# KiCad board FCSat_dual.kicad_pcb (continued)
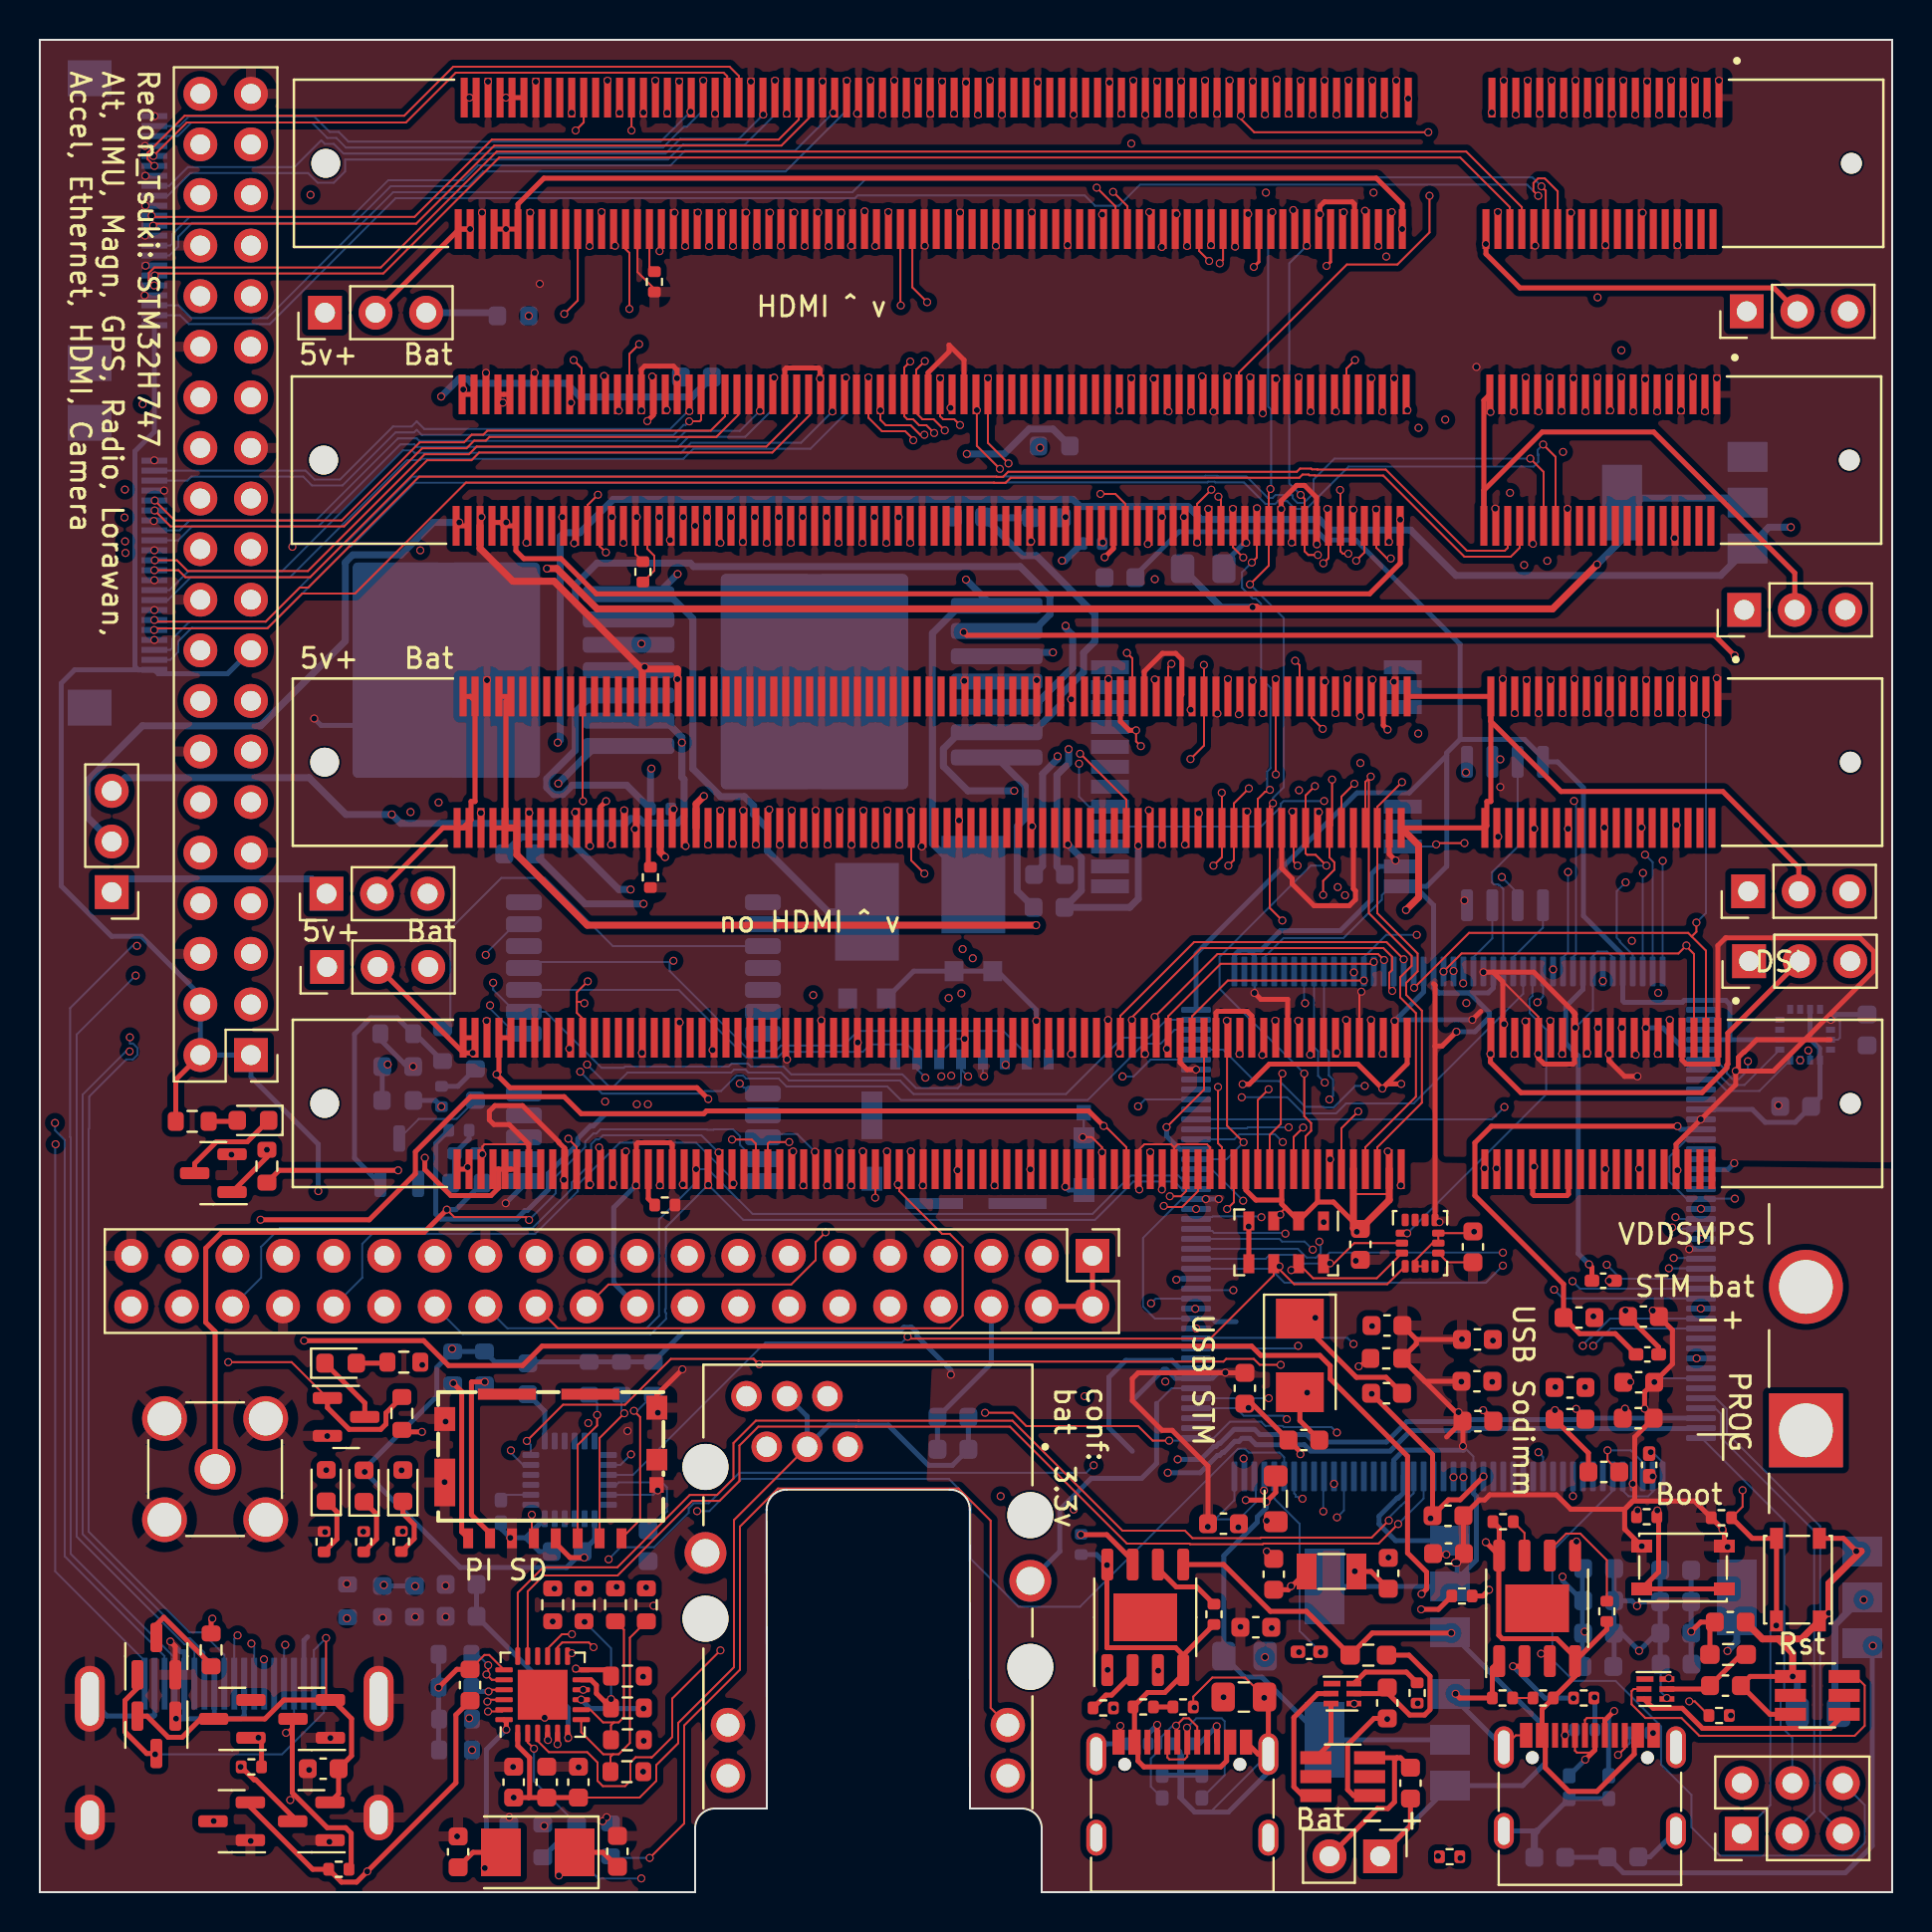
[diagram p0: board, top side]
## Footprints (pads in the part's own frame, mm; a bottom-side part is the same pattern mirrored in y, then rotated)
105162-0001 SD
  rect 0.5x1 smd: 1(3.55,-7.34) 2(2.45,-7.34) 3(1.35,-7.34) 4(0.25,-7.34) 5(-0.85,-7.34) 6(-1.95,-7.34) 7(-3.05,-7.34) 8(-4.15,-7.34)
  rect 0.72x0.78 smd: 9(5.31,-4.66)
  rect 1.05x1.08 smd: 10(5.325,-3.39)
  rect 1.05x1.2 smd: 11(5.325,-0.78) 12(-5.325,-1.35)
  rect 1.05x2.39 smd: 13(-5.325,-4.535)
  rect 2.91x0.55 smd: 14(1.986,-0.105) 15(-2.204,-0.105)
AMASS_XT60PW-M
  rect 3.716x3.716 hole 2.7: 1(3.6,-6)
  round 3.716 hole 2.7: 2(-3.6,-6)
C_0402_1005Metric_Pad0.74x0.62mm_HandSolder
  rrect 0.735x0.62 smd: 1(-0.568,0) 2(0.568,0)
C_0603_1608Metric
  rrect 0.9x0.95 smd: 1(-0.775,0) 2(0.775,0)
C_0805_2012Metric_Pad1.18x1.45mm_HandSolder
  rrect 1.175x1.45 smd: 1(-1.038,0) 2(1.038,0)
Crystal_SMD_3215-2Pin_3.2x1.5mm
  rect 1x1.8 smd: 1(1.25,0) 2(-1.25,0)
Crystal_SMD_5032-2Pin_5.0x3.2mm
  rect 2x2.4 smd: 1(-1.85,0) 2(1.85,0)
D_0402_1005Metric_Pad0.77x0.64mm_HandSolder
  rrect 0.765x0.64 smd: 1(-0.573,0) 2(0.573,0)
Ethernet
  round 2.31 hole 2.31 unplated: (-8.155,5.72) (-8.155,-1.9) (8.155,3.3) (8.155,-4.318)
  round 1.53 hole 1.02: 4(-1.016,6.73) 5(-3.048,6.73) 6(-5.08,6.73) 10(-2.032,9.27) 11(-4.064,9.27) 12(-6.096,9.27)
  round 1.725 hole 1.15: 13(7.025,-7.24) 14(7.025,-9.78) 15(-7.025,-7.24) 16(-7.025,-9.78)
  round 2.1 hole 1.4: S1(-8.155,1.4) S2(8.155,0)
HDMI_MOLEX_471510001
  rect 0.3x2.6 smd: 1(4.5,0) 2(4,0) 3(3.5,0) 4(3,0) 5(2.5,0) 6(2,0) 7(1.5,0) 8(1,0) 9(0.5,0) 10(0,0) 11(-0.5,0) 12(-1,0) 13(-1.5,0) 14(-2,0) 15(-2.5,0) 16(-3,0) 17(-3.5,0) 18(-4,0) 19(-4.5,0)
  oval 1.5x2.3 hole 0.9x1.7: SH(-7.25,-6.72) SH(7.25,-6.72)
  oval 1.5x3.3 hole 0.9x2.7: SH(-7.25,-0.76) SH(7.25,-0.76)
Hirose_FH12-22S-0.5SH_1x22-1MP_P0.50mm_Horizontal
  rect 0.3x1.3 smd: 1(5.25,1.85) 2(4.75,1.85) 3(4.25,1.85) 4(3.75,1.85) 5(3.25,1.85) 6(2.75,1.85) 7(2.25,1.85) 8(1.75,1.85) 9(1.25,1.85) 10(0.75,1.85) 11(0.25,1.85) 12(-0.25,1.85) 13(-0.75,1.85) 14(-1.25,1.85) 15(-1.75,1.85) 16(-2.25,1.85) 17(-2.75,1.85) 18(-3.25,1.85) 19(-3.75,1.85) 20(-4.25,1.85) 21(-4.75,1.85) 22(-5.25,1.85)
  rect 1.8x2.2 smd: MP(-7.15,-1.4) MP(7.15,-1.4)
HTSOP-8-1EP_3.9x4.9mm_P1.27mm_EP2.4x3.2mm
  rrect 0.97x1.29 smd: (-0.6,0.8) (-0.6,-0.8) (0.6,0.8) (0.6,-0.8)
  rrect 1.6x0.6 smd: 1(-2.65,1.905) 2(-2.65,0.635) 3(-2.65,-0.635) 4(-2.65,-1.905) 5(2.65,-1.905) 6(2.65,-0.635) 7(2.65,0.635) 8(2.65,1.905)
  rect 2.4x3.2 smd: 9(0,0)
HVQFN-24-1EP_4x4mm_P0.5mm_EP2.5x2.5mm
  rrect 1.01x1.01 smd: (-0.625,0.625) (-0.625,-0.625) (0.625,0.625) (0.625,-0.625)
  rrect 0.875x0.25 smd: 1(-1.938,1.25) 2(-1.938,0.75) 3(-1.938,0.25) 4(-1.938,-0.25) 5(-1.938,-0.75) 6(-1.938,-1.25) 13(1.938,-1.25) 14(1.938,-0.75) 15(1.938,-0.25) 16(1.938,0.25) 17(1.938,0.75) 18(1.938,1.25)
  rrect 0.25x0.875 smd: 7(-1.25,-1.938) 8(-0.75,-1.938) 9(-0.25,-1.938) 10(0.25,-1.938) 11(0.75,-1.938) 12(1.25,-1.938) 19(1.25,1.938) 20(0.75,1.938) 21(0.25,1.938) 22(-0.25,1.938) 23(-0.75,1.938) 24(-1.25,1.938)
  rect 2.5x2.5 smd: 25(0,0)
InvenSense_QFN-24_4x4mm_P0.5mm
  rrect 0.85x0.3 smd: 1(-1.95,1.25) 2(-1.95,0.75) 3(-1.95,0.25) 4(-1.95,-0.25) 5(-1.95,-0.75) 6(-1.95,-1.25) 13(1.95,-1.25) 14(1.95,-0.75) 15(1.95,-0.25) 16(1.95,0.25) 17(1.95,0.75) 18(1.95,1.25)
  rrect 0.3x0.85 smd: 7(-1.25,-1.95) 8(-0.75,-1.95) 9(-0.25,-1.95) 10(0.25,-1.95) 11(0.75,-1.95) 12(1.25,-1.95) 19(1.25,1.95) 20(0.75,1.95) 21(0.25,1.95) 22(-0.25,1.95) 23(-0.75,1.95) 24(-1.25,1.95)
L_0603_1608Metric
  rrect 0.875x0.95 smd: 1(-0.787,0) 2(0.787,0)
L_0805_2012Metric_Pad1.05x1.20mm_HandSolder
  rrect 1.05x1.2 smd: 1(-1.15,0) 2(1.15,0)
LED_0603_1608Metric
  rrect 0.875x0.95 smd: 1(-0.787,0) 2(0.787,0)
LGA-8_3x5mm_P1.25mm
  rect 0.95x0.55 smd: 1(-1.075,1.875) 2(-1.075,0.625) 3(-1.075,-0.625) 4(-1.075,-1.875) 5(1.075,-1.875) 6(1.075,-0.625) 7(1.075,0.625) 8(1.075,1.875)
LGA-14_3x2.5mm_P0.5mm_LayoutBorder3x4y
  rrect 0.625x0.35 smd: 1(-1.163,0.75) 2(-1.163,0.25) 3(-1.163,-0.25) 4(-1.163,-0.75) 8(1.163,-0.75) 9(1.163,-0.25) 10(1.163,0.25) 11(1.163,0.75)
  rrect 0.35x0.625 smd: 5(-0.5,-0.912) 6(0,-0.912) 7(0.5,-0.912) 12(0.5,0.912) 13(0,0.912) 14(-0.5,0.912)
LGA-16_3x3mm_P0.5mm
  rect 0.45x0.3 smd: 1(-1.275,0.75) 2(-1.275,0.25) 3(-1.275,-0.25) 4(-1.275,-0.75) 9(1.275,-0.75) 10(1.275,-0.25) 11(1.275,0.25) 12(1.275,0.75)
  rect 0.3x0.45 smd: 5(-0.75,-1.275) 6(-0.25,-1.275) 7(0.25,-1.275) 8(0.75,-1.275) 13(0.75,1.275) 14(0.25,1.275) 15(-0.25,1.275) 16(-0.75,1.275)
LQFP-176_24x24mm_P0.5mm
  rrect 1.5x0.3 smd: 1(-12.675,10.75) 2(-12.675,10.25) 3(-12.675,9.75) 4(-12.675,9.25) 5(-12.675,8.75) 6(-12.675,8.25) 7(-12.675,7.75) 8(-12.675,7.25) 9(-12.675,6.75) 10(-12.675,6.25) 11(-12.675,5.75) 12(-12.675,5.25) 13(-12.675,4.75) 14(-12.675,4.25) 15(-12.675,3.75) 16(-12.675,3.25) 17(-12.675,2.75) 18(-12.675,2.25) 19(-12.675,1.75) 20(-12.675,1.25) 21(-12.675,0.75) 22(-12.675,0.25) 23(-12.675,-0.25) 24(-12.675,-0.75) 25(-12.675,-1.25) 26(-12.675,-1.75) 27(-12.675,-2.25) 28(-12.675,-2.75) 29(-12.675,-3.25) 30(-12.675,-3.75) 31(-12.675,-4.25) 32(-12.675,-4.75) 33(-12.675,-5.25) 34(-12.675,-5.75) 35(-12.675,-6.25) 36(-12.675,-6.75) 37(-12.675,-7.25) 38(-12.675,-7.75) 39(-12.675,-8.25) 40(-12.675,-8.75) 41(-12.675,-9.25) 42(-12.675,-9.75) 43(-12.675,-10.25) 44(-12.675,-10.75) 89(12.675,-10.75) 90(12.675,-10.25) 91(12.675,-9.75) 92(12.675,-9.25) 93(12.675,-8.75) 94(12.675,-8.25) 95(12.675,-7.75) 96(12.675,-7.25) 97(12.675,-6.75) 98(12.675,-6.25) 99(12.675,-5.75) 100(12.675,-5.25) 101(12.675,-4.75) 102(12.675,-4.25) 103(12.675,-3.75) 104(12.675,-3.25) 105(12.675,-2.75) 106(12.675,-2.25) 107(12.675,-1.75) 108(12.675,-1.25) 109(12.675,-0.75) 110(12.675,-0.25) 111(12.675,0.25) 112(12.675,0.75) 113(12.675,1.25) 114(12.675,1.75) 115(12.675,2.25) 116(12.675,2.75) 117(12.675,3.25) 118(12.675,3.75) 119(12.675,4.25) 120(12.675,4.75) 121(12.675,5.25) 122(12.675,5.75) 123(12.675,6.25) 124(12.675,6.75) 125(12.675,7.25) 126(12.675,7.75) 127(12.675,8.25) 128(12.675,8.75) 129(12.675,9.25) 130(12.675,9.75) 131(12.675,10.25) 132(12.675,10.75)
  rrect 0.3x1.5 smd: 45(-10.75,-12.675) 46(-10.25,-12.675) 47(-9.75,-12.675) 48(-9.25,-12.675) 49(-8.75,-12.675) 50(-8.25,-12.675) 51(-7.75,-12.675) 52(-7.25,-12.675) 53(-6.75,-12.675) 54(-6.25,-12.675) 55(-5.75,-12.675) 56(-5.25,-12.675) 57(-4.75,-12.675) 58(-4.25,-12.675) 59(-3.75,-12.675) 60(-3.25,-12.675) 61(-2.75,-12.675) 62(-2.25,-12.675) 63(-1.75,-12.675) 64(-1.25,-12.675) 65(-0.75,-12.675) 66(-0.25,-12.675) 67(0.25,-12.675) 68(0.75,-12.675) 69(1.25,-12.675) 70(1.75,-12.675) 71(2.25,-12.675) 72(2.75,-12.675) 73(3.25,-12.675) 74(3.75,-12.675) 75(4.25,-12.675) 76(4.75,-12.675) 77(5.25,-12.675) 78(5.75,-12.675) 79(6.25,-12.675) 80(6.75,-12.675) 81(7.25,-12.675) 82(7.75,-12.675) 83(8.25,-12.675) 84(8.75,-12.675) 85(9.25,-12.675) 86(9.75,-12.675) 87(10.25,-12.675) 88(10.75,-12.675) 133(10.75,12.675) 134(10.25,12.675) 135(9.75,12.675) 136(9.25,12.675) 137(8.75,12.675) 138(8.25,12.675) 139(7.75,12.675) 140(7.25,12.675) 141(6.75,12.675) 142(6.25,12.675) 143(5.75,12.675) 144(5.25,12.675) 145(4.75,12.675) 146(4.25,12.675) 147(3.75,12.675) 148(3.25,12.675) 149(2.75,12.675) 150(2.25,12.675) 151(1.75,12.675) 152(1.25,12.675) 153(0.75,12.675) 154(0.25,12.675) 155(-0.25,12.675) 156(-0.75,12.675) 157(-1.25,12.675) 158(-1.75,12.675) 159(-2.25,12.675) 160(-2.75,12.675) 161(-3.25,12.675) 162(-3.75,12.675) 163(-4.25,12.675) 164(-4.75,12.675) 165(-5.25,12.675) 166(-5.75,12.675) 167(-6.25,12.675) 168(-6.75,12.675) 169(-7.25,12.675) 170(-7.75,12.675) 171(-8.25,12.675) 172(-8.75,12.675) 173(-9.25,12.675) 174(-9.75,12.675) 175(-10.25,12.675) 176(-10.75,12.675)
PinHeader_1x02_P2.54mm_Vertical
  rect 1.7x1.7 hole 1: 1(0,0)
  oval 1.7x1.7 hole 1: 2(0,-2.54)
PinHeader_1x03_P2.54mm_Vertical
  rect 1.7x1.7 hole 1: 1(0,0)
  oval 1.7x1.7 hole 1: 2(0,-2.54) 3(0,-5.08)
PinHeader_2x03_P2.54mm_Vertical
  rect 1.7x1.7 hole 1: 1(0,0)
  oval 1.7x1.7 hole 1: 2(2.54,0) 3(0,-2.54) 4(2.54,-2.54) 5(0,-5.08) 6(2.54,-5.08)
PinHeader_2x20_P2.54mm_Vertical
  rect 1.7x1.7 hole 1: 1(0,0)
  oval 1.7x1.7 hole 1: 2(2.54,0) 3(0,-2.54) 4(2.54,-2.54) 5(0,-5.08) 6(2.54,-5.08) 7(0,-7.62) 8(2.54,-7.62) 9(0,-10.16) 10(2.54,-10.16) 11(0,-12.7) 12(2.54,-12.7) 13(0,-15.24) 14(2.54,-15.24) 15(0,-17.78) 16(2.54,-17.78) 17(0,-20.32) 18(2.54,-20.32) 19(0,-22.86) 20(2.54,-22.86) 21(0,-25.4) 22(2.54,-25.4) 23(0,-27.94) 24(2.54,-27.94) 25(0,-30.48) 26(2.54,-30.48) 27(0,-33.02) 28(2.54,-33.02) 29(0,-35.56) 30(2.54,-35.56) 31(0,-38.1) 32(2.54,-38.1) 33(0,-40.64) 34(2.54,-40.64) 35(0,-43.18) 36(2.54,-43.18) 37(0,-45.72) 38(2.54,-45.72) 39(0,-48.26) 40(2.54,-48.26)
R_0402_1005Metric
  rrect 0.54x0.64 smd: 1(-0.51,0) 2(0.51,0)
R_0603_1608Metric
  rrect 0.8x0.95 smd: 1(-0.825,0) 2(0.825,0)
R_0603_1608Metric_Pad0.98x0.95mm_HandSolder
  rrect 0.975x0.95 smd: 1(-0.912,0) 2(0.912,0)
RAK4200
  rect 1.9x0.7 smd: 1(-7.35,5.75) 2(-7.35,4.75) 3(-7.35,3.75) 4(-7.35,2.75) 5(-7.35,1.75) 6(-7.35,0.75) 7(-7.35,-0.25) 8(-7.35,-1.25) 9(-7.35,-2.25) 10(-7.35,-3.25) 11(-7.35,-4.25) 12(-7.35,-5.25) 13(7.35,-5.25) 14(7.35,-4.25) 15(7.35,-3.25) 16(7.35,1.75) 17(7.35,2.75) 18(7.35,3.75) 19(7.35,4.75) 20(7.35,5.75)
SMA_Amphenol_901-144_Vertical
  round 2.05 hole 1.5: 1(0,0)
  round 2.25 hole 1.7: 2(-2.54,2.54) 2(-2.54,-2.54) 2(2.54,2.54) 2(2.54,-2.54)
SOIC-8_5.23x5.23mm_P1.27mm
  rrect 1.6x0.6 smd: 1(-3.6,1.905) 2(-3.6,0.635) 3(-3.6,-0.635) 4(-3.6,-1.905) 5(3.6,-1.905) 6(3.6,-0.635) 7(3.6,0.635) 8(3.6,1.905)
SOT-23
  rrect 1.475x0.6 smd: 1(-0.938,0.95) 2(-0.938,-0.95) 3(0.938,0)
SOT-23-3
  rrect 1.325x0.6 smd: 1(-1.137,0.95) 2(-1.137,-0.95) 3(1.137,0)
SOT-23-6_Handsoldering
  rect 1.56x0.65 smd: 1(-1.35,0.95) 2(-1.35,0) 3(-1.35,-0.95) 4(1.35,-0.95) 5(1.35,0) 6(1.35,0.95)
SOT-223-3_TabPin2
  rect 2x1.5 smd: 1(-3.15,2.3) 2(-3.15,0) 3(-3.15,-2.3)
  rect 2x3.8 smd: 2(3.15,0)
SW_SPST_PTS810
  rect 1.05x0.65 smd: 1(-2.075,1.075) 1(2.075,1.075) 2(-2.075,-1.075) 2(2.075,-1.075)
TE_2040910-1
  round 1.05 hole 1.05 unplated: (-38.3,0)
  round 1.45 hole 1.45 unplated: (38.3,0)
  rect 0.35x2 smd: 1(-31.65,-3.3) 2(-31.35,3.3) 3(-31.05,-3.3) 4(-30.75,3.3) 5(-30.45,-3.3) 6(-30.15,3.3) 7(-29.85,-3.3) 8(-29.55,3.3) 9(-29.25,-3.3) 10(-28.95,3.3) 11(-28.65,-3.3) 12(-28.35,3.3) 13(-28.05,-3.3) 14(-27.75,3.3) 15(-27.45,-3.3) 16(-27.15,3.3) 17(-26.85,-3.3) 18(-26.55,3.3) 19(-26.25,-3.3) 20(-25.95,3.3) 21(-25.65,-3.3) 22(-25.35,3.3) 23(-25.05,-3.3) 24(-24.75,3.3) 25(-24.45,-3.3) 26(-24.15,3.3) 27(-23.85,-3.3) 28(-23.55,3.3) 29(-23.25,-3.3) 30(-22.95,3.3) 31(-22.65,-3.3) 32(-22.35,3.3) 33(-22.05,-3.3) 34(-21.75,3.3) 35(-21.45,-3.3) 36(-21.15,3.3) 37(-20.85,-3.3) 38(-20.55,3.3) 39(-20.25,-3.3) 40(-19.95,3.3) 41(-16.05,-3.3) 42(-15.75,3.3) 43(-15.45,-3.3) 44(-15.15,3.3) 45(-14.85,-3.3) 46(-14.55,3.3) 47(-14.25,-3.3) 48(-13.95,3.3) 49(-13.65,-3.3) 50(-13.35,3.3) 51(-13.05,-3.3) 52(-12.75,3.3) 53(-12.45,-3.3) 54(-12.15,3.3) 55(-11.85,-3.3) 56(-11.55,3.3) 57(-11.25,-3.3) 58(-10.95,3.3) 59(-10.65,-3.3) 60(-10.35,3.3) 61(-10.05,-3.3) 62(-9.75,3.3) 63(-9.45,-3.3) 64(-9.15,3.3) 65(-8.85,-3.3) 66(-8.55,3.3) 67(-8.25,-3.3) 68(-7.95,3.3) 69(-7.65,-3.3) 70(-7.35,3.3) 71(-7.05,-3.3) 72(-6.75,3.3) 73(-6.45,-3.3) 74(-6.15,3.3) 75(-5.85,-3.3) 76(-5.55,3.3) 77(-5.25,-3.3) 78(-4.95,3.3) 79(-4.65,-3.3) 80(-4.35,3.3) 81(-4.05,-3.3) 82(-3.75,3.3) 83(-3.45,-3.3) 84(-3.15,3.3) 85(-2.85,-3.3) 86(-2.55,3.3) 87(-2.25,-3.3) 88(-1.95,3.3) 89(-1.65,-3.3) 90(-1.35,3.3) 91(-1.05,-3.3) 92(-0.75,3.3) 93(-0.45,-3.3) 94(-0.15,3.3) 95(0.15,-3.3) 96(0.45,3.3) 97(0.75,-3.3) 98(1.05,3.3) 99(1.35,-3.3) 100(1.65,3.3) 101(1.95,-3.3) 102(2.25,3.3) 103(2.55,-3.3) 104(2.85,3.3) 105(3.15,-3.3) 106(3.45,3.3) 107(3.75,-3.3) 108(4.05,3.3) 109(4.35,-3.3) 110(4.65,3.3) 111(4.95,-3.3) 112(5.25,3.3) 113(5.55,-3.3) 114(5.85,3.3) 115(6.15,-3.3) 116(6.45,3.3) 117(6.75,-3.3) 118(7.05,3.3) 119(7.35,-3.3) 120(7.65,3.3) 121(7.95,-3.3) 122(8.25,3.3) 123(8.55,-3.3) 124(8.85,3.3) 125(9.15,-3.3) 126(9.45,3.3) 127(9.75,-3.3) 128(10.05,3.3) 129(10.35,-3.3) 130(10.65,3.3) 131(10.95,-3.3) 132(11.25,3.3) 133(11.55,-3.3) 134(11.85,3.3) 135(12.15,-3.3) 136(12.45,3.3) 137(12.75,-3.3) 138(13.05,3.3) 139(13.35,-3.3) 140(13.65,3.3) 141(13.95,-3.3) 142(14.25,3.3) 143(14.55,-3.3) 144(14.85,3.3) 145(15.15,-3.3) 146(15.45,3.3) 147(15.75,-3.3) 148(16.05,3.3) 149(16.35,-3.3) 150(16.65,3.3) 151(16.95,-3.3) 152(17.25,3.3) 153(17.55,-3.3) 154(17.85,3.3) 155(18.15,-3.3) 156(18.45,3.3) 157(18.75,-3.3) 158(19.05,3.3) 159(19.35,-3.3) 160(19.65,3.3) 161(19.95,-3.3) 162(20.25,3.3) 163(20.55,-3.3) 164(20.85,3.3) 165(21.15,-3.3) 166(21.45,3.3) 167(21.75,-3.3) 168(22.05,3.3) 169(22.35,-3.3) 170(22.65,3.3) 171(22.95,-3.3) 172(23.25,3.3) 173(23.55,-3.3) 174(23.85,3.3) 175(24.15,-3.3) 176(24.45,3.3) 177(24.75,-3.3) 178(25.05,3.3) 179(25.35,-3.3) 180(25.65,3.3) 181(25.95,-3.3) 182(26.25,3.3) 183(26.55,-3.3) 184(26.85,3.3) 185(27.15,-3.3) 186(27.45,3.3) 187(27.75,-3.3) 188(28.05,3.3) 189(28.35,-3.3) 190(28.65,3.3) 191(28.95,-3.3) 192(29.25,3.3) 193(29.55,-3.3) 194(29.85,3.3) 195(30.15,-3.3) 196(30.45,3.3) 197(30.75,-3.3) 198(31.05,3.3) 199(31.35,-3.3) 200(31.65,3.3)
TO-263-7_TabPin8
  rrect 4.6x0.8 smd: 1(-7.65,3.81) 2(-7.65,2.54) 3(-7.65,1.27) 4(-7.65,0) 5(-7.65,-1.27) 6(-7.65,-2.54) 7(-7.65,-3.81)
  rrect 4.55x5.25 smd: 8(-0.925,-2.775) 8(-0.925,2.775) 8(3.925,-2.775) 8(3.925,2.775)
  rrect 9.4x10.8 smd: 8(1.5,0)
TO-277B
  rect 1.3x1.2 smd: (-0.9,-3) (-0.9,-1.2) (-0.9,0.6) (0.9,-3) (0.9,-1.2) (0.9,0.6)
  rect 0.95x1 smd: 1(-0.97,3.15) 2(0.97,3.15)
  rect 3.2x4.9 smd: 3(0,-1.2)
ublox_NEO
  rrect 1.8x0.8 smd: 1(-6,7) 2(-6,5.9) 3(-6,4.8) 4(-6,3.7) 5(-6,2.6) 6(-6,1.5) 7(-6,0.4) 8(-6,-2.6) 9(-6,-3.7) 10(-6,-4.8) 11(-6,-5.9) 12(-6,-7) 13(6,-7) 14(6,-5.9) 15(6,-4.8) 16(6,-3.7) 17(6,-2.6) 18(6,0.4) 19(6,1.5) 20(6,2.6) 21(6,3.7) 22(6,4.8) 23(6,5.9) 24(6,7)
USB_C_Receptacle_G-Switch_GT-USB-7010ASV
  round 0.65 hole 0.65 unplated: (-2.89,2.605) (2.89,2.605)
  rect 0.6x1.24 smd: A1(-3.2,3.725) A4(-2.4,3.725) A9(2.4,3.725) A12(3.2,3.725) B1(3.2,3.725) B4(2.4,3.725) B9(-2.4,3.725) B12(-3.2,3.725)
  rect 0.3x1.24 smd: A5(-1.25,3.725) A6(-0.25,3.725) A7(0.25,3.725) A8(1.25,3.725) B5(1.75,3.725) B6(0.75,3.725) B7(-0.75,3.725) B8(-1.75,3.725)
  oval 1x2.1 hole 0.6x1.7: S1(-4.32,3.125) S1(4.32,3.125)
  oval 1x1.8 hole 0.6x1.4: S1(-4.32,-1.075) S1(4.32,-1.075)
WSON-6_1.5x1.5mm_P0.5mm
  rect 0.85x0.28 smd: 1(-0.525,0.5)
  rect 0.75x0.28 smd: 2(-0.575,0) 3(-0.575,-0.5) 4(0.575,-0.5) 5(0.575,0) 6(0.575,0.5)

## Nets
+1V8: 1.8vReg1.2 C36.1 D14.2 L3.1 MainMCU1.17
+3.3V: Accel1.13 Alt1.1 C8.1 C9.1 C10.1 C11.1 C12.1 C13.1 C14.1 C15.1 C16.1 C17.1 C18.1 C19.1 C20.1 C26.1 C27.2 C28.2 C29.2 C30.2 C37.1 C50.1 D13.2 FB1.1 Flash32MBit1.8 IMU1.5 IMU1.8 J3.4 J6.4 L1.2 LoRaWan1.20 Magnetometer1.2 Magnetometer1.7 Magnetometer1.13 MainMCU1.7 MainMCU1.8 MainMCU1.13 MainMCU1.25 MainMCU1.39 MainMCU1.44 MainMCU1.48 MainMCU1.65 MainMCU1.71 MainMCU1.84 MainMCU1.92 MainMCU1.99 MainMCU1.113 MainMCU1.126 MainMCU1.136 MainMCU1.152 MainMCU1.160 MainMCU1.174 MainMCU1.176 R2.2 R6.2 R33.1 R34.1 R35.1 R36.1 R37.1 SW1.1 VoltReg1.2
+3.3VA: C40.1 C41.1 C55.1 D8.2 J13.1 J14.1 J15.1 J16.1 L4.1 P1.22 P2.22 P3.1 P3.2 P3.4 P3.17 P4.1 P4.2 P4.4 P4.17 R21.1 R22.1 R23.1 R24.1 R39.1 R42.1 R60.1 U1.9 VoltReg2.2
+5V: BATCharge2.4 BATCharge2.8 D7.1 J7.1 J9.1 J10.1 J11.1 R38.1 R48.1 R49.2 R50.2 USB_C_ESP3.A4 USB_C_ESP3.A9 USB_C_ESP3.B4 USB_C_ESP3.B9
Vbus: BATCharge1.4 BATCharge1.8 D6.2 R8.1 R9.2 R10.2 USB_C_ESP1.A4 USB_C_ESP1.A9 USB_C_ESP1.B4 USB_C_ESP1.B9
VCC: 1.8vReg2.2 C54.1 R41.1 R59.1
VDDA: L1.1 MainMCU1.40
VDDSMPS: MainMCU1.16 R63.2
VSS: 1.8vReg1.1 1.8vReg2.1 Accel1.1 Accel1.11 Accel1.18 Alt1.2 Alt1.3 BAT2.2 BATCharge1.1 BATCharge1.3 BATCharge2.1 BATCharge2.3 BatProt1.4 BatProt2.4 C1.1 C2.2 C3.1 C4.2 C5.1 C6.1 C7.1 C8.2 C9.2 C10.2 C11.2 C12.2 C13.2 C14.2 C15.2 C16.2 C17.2 C18.2 C19.2 C20.2 C21.1 C22.1 C23.1 C24.1 C25.1 C26.2 C27.1 C28.1 C29.1 C30.1 C31.2 C32.1 C33.2 C34.1 C36.2 C37.2 C38.1 C39.1 C40.2 C41.2 C42.2 C43.2 C44.2 C45.2 C46.2 C47.2 C48.2 C49.1 C50.2 C51.1 C52.2 C53.2 C54.2 C55.2 C56.2 C57.2 C58.2 C59.2 C60.2 C61.2 C62.2 C64.2 C65.2 C66.2 C67.2 C69.2 C70.2 C71.2 D2.1 D3.1 D4.1 D8.1 D9.1 D10.1 D11.1 D12.1 D16.1 D16.2 D17.1 D17.2 Flash32MBit1.4 GPS1.2 GPS1.10 GPS1.12 GPS1.13 GPS1.24 IMU1.2 IMU1.3 IMU1.6 IMU1.7 J3.6 J3.9 J3.10 J3.11 J4.2 J5.15 J5.S1 J5.S2 J6.6 J6.9 J6.10 J6.11 J6.12 J6.13 J8.2 J8.5 J8.8 J8.11 J8.17 J8.SH J12.2 LoRaWan1.11 LoRaWan1.13 LoRaWan1.14 LoRaWan1.19 Magnetometer1.9 Magnetometer1.11 MainMCU1.6 MainMCU1.12 MainMCU1.14 MainMCU1.24 MainMCU1.38 MainMCU1.45 MainMCU1.47 MainMCU1.64 MainMCU1.70 MainMCU1.81 MainMCU1.83 MainMCU1.93 MainMCU1.100 MainMCU1.105 MainMCU1.109 MainMCU1.112 MainMCU1.119 MainMCU1.134 MainMCU1.137 MainMCU1.151 MainMCU1.159 MainMCU1.173 P1.1 P1.4 P1.7 P1.10 P1.13 P1.16 P1.19 P2.1 P2.4 P2.7 P2.10 P2.13 P2.16 P2.19 P3.6 P3.9 P3.14 P3.20 P3.25 P3.30 P3.34 P3.39 P4.6 P4.9 P4.14 P4.20 P4.25 P4.30 P4.34 P4.39 PowerMosfet1.1 PowerMosfet2.1 PowerMosfet2.3 Q1.1 Q2.2 Q3.2 Q4.2 R1.2 R5.1 R7.2 R11.1 R12.1 R13.2 R14.2 R16.1 R25.2 R27.1 R31.1 R40.1 R43.1 R45.1 R46.1 R47.2 R51.1 R52.1 R53.2 R54.2 R56.2 R57.2 R58.2 R62.1 Rw1.1 SW2.1 U1.25 U2.1 U2.7 U2.8 U2.13 U2.14 U2.19 U2.20 U2.25 U2.26 U2.31 U2.32 U2.37 U2.38 U2.43 U2.44 U2.49 U2.50 U2.55 U2.56 U2.61 U2.62 U2.67 U2.68 U2.73 U2.74 U2.79 U2.80 U2.85 U2.86 U2.91 U2.92 U2.97 U2.98 U2.103 U2.104 U2.109 U2.110 U2.115 U2.116 U2.121 U2.122 U2.127 U2.133 U2.134 U2.139 U2.140 U2.145 U2.146 U2.151 U2.152 U2.157 U2.163 U2.164 U2.169 U2.170 U2.181 U2.182 U2.187 U2.188 U2.195 U2.196 U3.1 U3.7 U3.8 U3.13 U3.14 U3.19 U3.20 U3.25 U3.26 U3.31 U3.32 U3.37 U3.38 U3.43 U3.44 U3.49 U3.50 U3.55 U3.56 U3.61 U3.62 U3.67 U3.68 U3.73 U3.74 U3.79 U3.80 U3.85 U3.86 U3.91 U3.92 U3.97 U3.98 U3.103 U3.104 U3.109 U3.110 U3.115 U3.116 U3.121 U3.122 U3.127 U3.133 U3.134 U3.139 U3.140 U3.145 U3.146 U3.151 U3.152 U3.157 U3.163 U3.164 U3.169 U3.170 U3.181 U3.182 U3.187 U3.188 U3.195 U3.196 U4.1 U4.7 U4.8 U4.13 U4.14 U4.19 U4.20 U4.25 U4.26 U4.31 U4.32 U4.37 U4.38 U4.43 U4.44 U4.49 U4.50 U4.55 U4.56 U4.61 U4.62 U4.67 U4.68 U4.73 U4.74 U4.79 U4.80 U4.85 U4.86 U4.91 U4.92 U4.97 U4.98 U4.103 U4.104 U4.109 U4.110 U4.115 U4.116 U4.121 U4.122 U4.127 U4.133 U4.134 U4.139 U4.140 U4.145 U4.146 U4.151 U4.152 U4.157 U4.163 U4.164 U4.169 U4.170 U4.181 U4.182 U4.187 U4.188 U4.195 U4.196 U5.1 U5.7 U5.8 U5.13 U5.14 U5.19 U5.20 U5.25 U5.26 U5.31 U5.32 U5.37 U5.38 U5.43 U5.44 U5.49 U5.50 U5.55 U5.56 U5.61 U5.62 U5.67 U5.68 U5.73 U5.74 U5.79 U5.80 U5.85 U5.86 U5.91 U5.92 U5.97 U5.98 U5.103 U5.104 U5.109 U5.110 U5.115 U5.116 U5.121 U5.122 U5.127 U5.133 U5.134 U5.139 U5.140 U5.145 U5.146 U5.151 U5.152 U5.157 U5.163 U5.164 U5.169 U5.170 U5.181 U5.182 U5.187 U5.188 U5.195 U5.196 U6.4 U6.8 U7.4 U7.8 USB_C_ESP1.A1 USB_C_ESP1.A12 USB_C_ESP1.B1 USB_C_ESP1.B12 USB_C_ESP1.S1 USB_C_ESP3.A1 USB_C_ESP3.A12 USB_C_ESP3.B1 USB_C_ESP3.B12 USB_C_ESP3.S1 VoltReg1.1 VoltReg2.1